# Altium PCB pcb.PcbDoc (part 3 of 3)
Units mm, origin at the board's own origin, x right, y up, seen from the top; angles counter-clockwise.
Board outline 141.5 x 36 mm, 4 copper layers (COMPONENT, GND1, GND2, SIGNAL), stack 1.62 mm thick; 144 components, 119 nets, 555 pads, 641 vias.
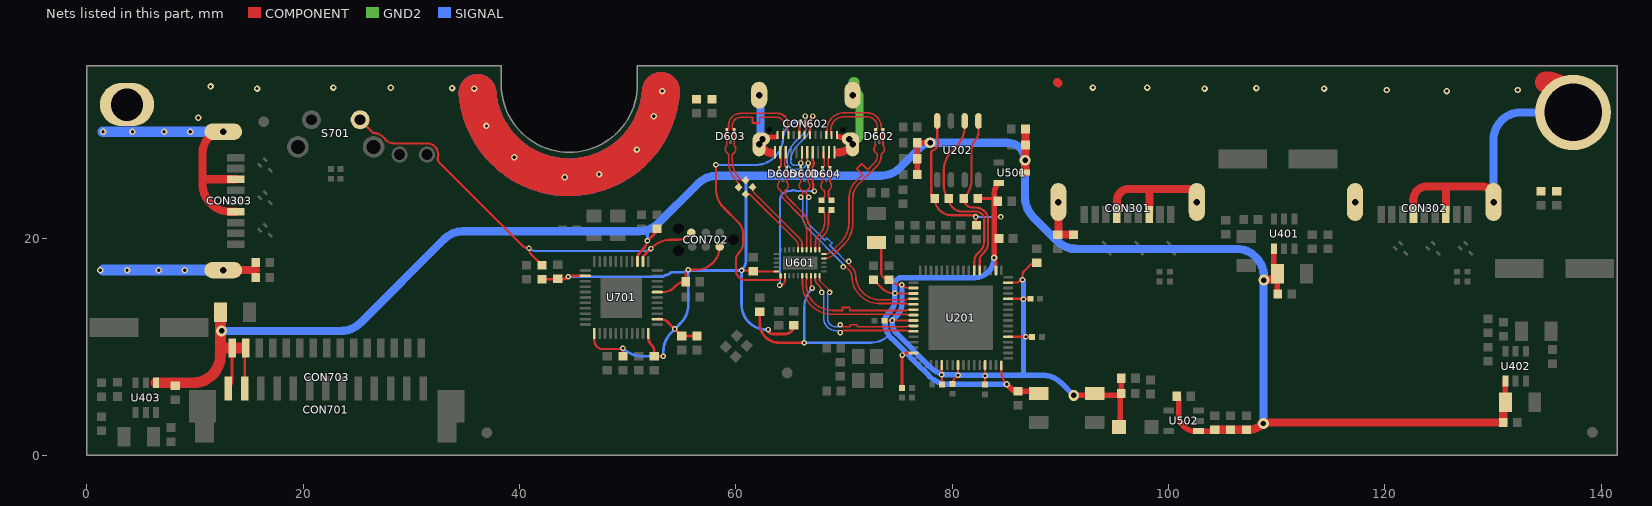
[diagram p5: the nets of this part, all layers, seen from the top]

## Via types
v1: diameter 0.508, hole 0.254, COMPONENT to SIGNAL, tented both sides, 518 vias
v2: diameter 0.6, hole 0.3, COMPONENT to SIGNAL, tented both sides, 78 vias
v3: diameter 0.508, hole 0.3, COMPONENT to SIGNAL, 37 vias
v4: diameter 1, hole 0.5, COMPONENT to SIGNAL, tented both sides, 8 vias

## Nets (pads, with @x,y where several pads share a name; then routed paths per layer and width w, separated by ;. In a path a pad name is that pad's centre, name@x,y a point inside that pad or via, vN(x,y) a via of type N, cw(c..) or ccw(c..) an arc to the next point about the centre after c; other vN are vias at no path point) (continued)
RST: CON702.5 R705.1 S701.1 U701.13 | length 40
  COMPONENT w0.203: S701.1@25.25,31 26.398,29.852 ccw(c26.578,30.031) 26.565,29.778 cw(c26.5,28.5) 27.584,29.18 ccw(c28.466,30.063) 27.689,29.086 ccw(c28.466,30.063) 28.466,28.815 28.827,28.815 ccw(c28.827,29.069) 28.842,28.815 cw(c28.905,27.788) 28.968,28.815 ccw(c28.983,29.069) 28.983,28.815 31.367,28.815 ccw(c31.367,29.069) 31.381,28.815 ; 31.382,28.815 cw(c31.445,27.788) 32.428,27.48 ccw(c33.102,27.48) 32.468,27.251 ccw(c33.102,27.48) 32.625,27.004 40.244,19.385 ccw(c40.869,20.01) 40.869,19.126 ccw(c41.752,19.126) 41.127,18.501 R705.1@42.062,17.566 ; U701.13@51.403,17.897 51.403,18.358 v1(52.146,19.101) 52.215,19.17 cw(c54.011,17.374) 52.703,19.551 cw(c54.011,17.374) 53.392,19.837 cw(c54.011,17.374) 54.011,19.914 54.661,19.914 ccw(c54.661,21.315) 55.652,20.324 CON702.5@55.876,20.549
  SIGNAL w0.203: v1@40.869,19.126 ccw(c41.473,19.731) 41.473,18.876 51.603,18.876 ccw(c51.603,19.644) v1(52.146,19.101)
  other v1: 40.869,19.126
SCL: R203.1 U201.38 U202.6 | length 17.2
  COMPONENT w0.203: U202.6@81.153,30.894 81.153,30.364 cw(c78.613,30.364) 80.409,28.568 79.967,28.125 ccw(c81.763,26.329) 79.223,26.329 79.223,24.864 ccw(c80.835,24.864) 79.695,23.724 ccw(c80.889,23.724) 80.889,22.53 82.195,22.53 cw(c82.195,21.768) 82.448,22.486 cw(c82.195,21.768) 82.913,22.021 cw(c82.195,21.768) 82.957,21.768 82.957,19.736 cw(c81.743,19.736) 82.601,18.878 82.32,18.597 ccw(c82.998,17.919) 82.04,17.919 U201.38@82.04,17.069
SDA: R202.1 U201.37 U202.5 | length 15.8
  COMPONENT w0.203: U202.5@82.423,30.894 82.423,29.726 cw(c81.729,29.726) 82.22,29.235 ccw(c83.262,28.193) 81.788,28.193 81.788,25.512 cw(c79.273,25.512) R202.1@81.051,23.734 ccw(c81.9,23.734) 81.9,22.885 82.107,22.885 82.195,22.885 cw(c82.195,21.768) 83.312,21.77 cw(c82.195,21.768) 83.312,21.768 83.312,21.26 83.312,20.752 83.312,19.632 cw(c81.994,19.632) 82.926,18.7 82.773,18.547 ; U201.37@82.54,17.069 82.54,17.983 cw(c83.338,17.983) 82.773,18.547
SHELD1: C313.2 C314.2 C315.2 C602.2 CON301.4 CON301.7 CON301.G CON302.4 CON302.7 CON302.G CON303.4 CON303.7 CON303.G CON602.2 CON602.A1 CON602.A12 CON602.B1 CON602.B12 CON602.G L304.2 L305.2 L306.2 L602.2 pad. | length 153.1
  COMPONENT w0.5: CON602.G@62.459,29.222 cw(c62.92,28.76) 62.92,29.413 63.703,29.413
  COMPONENT w0.508: 69.52,29.413 cw(c69.52,28.003) 70.517,29 CON602.G@70.792,28.725
  COMPONENT w0.75: CON303.G@12.6,17.1 15.565,17.1 ccw(c15.565,17.149) 15.6,17.114 ; CON303.G@12.6,29.9 ccw(c12.6,27.993) 10.693,27.993 10.693,25.603 ; CON303.4@13.75,22.5 13.233,22.5 cw(c13.233,25.04) 10.693,25.04 10.693,25.603 ; CON303.7@13.75,25.5 10.797,25.5 cw(c10.797,25.603) 10.693,25.603 ; CON602.2@62.152,28.725 62.665,28.212 ccw(c63.322,28.87) 63.322,27.94 ; 89.687,34.475 cw(c89.687,34.347) 89.815,34.347 ; L304.2@89.764,20.386 L304.2@89.789,20.386 ; CON301.G@89.815,23.75 89.815,20.412 L304.2@89.789,20.386 ; C314.2@91.211,20.386 L304.2@89.789,20.386 ; CON301.4@95.215,22.6 95.225,22.6 95.225,23.495 cw(c96.342,23.495) 96.342,24.613 98.247,24.613 ; CON301.7@98.215,22.6 ccw(c98.215,22.632) 98.247,22.632 98.247,24.613 ; CON301.G@102.615,23.75 ccw(c101.752,23.75) 101.752,24.613 98.247,24.613 ; CON302.4@122.65,22.6 122.65,23.552 ccw(c122.631,23.552) 122.631,23.571 cw(c123.901,23.571) 123.901,24.841 125.527,24.841 ; CON302.7@125.65,22.6 125.65,24.718 ccw(c125.527,24.718) 125.527,24.841 ; CON302.G@130.05,23.75 ccw(c128.959,23.75) 128.959,24.841 125.527,24.841
  COMPONENT w0.754: 69.444,27.991 ccw(c69.444,29.474) 70.492,28.425 CON602.G@70.792,28.725
  COMPONENT w2: 134.868,34.475 cw(c134.868,31.935) 137.408,31.935 pad.@137.408,31.686
  COMPONENT w3.5: 36.107,33.474 ccw(c44.577,34.188) v2@53.061,33.663
  GND2 w0.75: CON602.G@70.92,29.075 ccw(c70.92,29.58) 71.425,29.58 71.425,33.12 ccw(c70.92,33.12) CON602.G@70.92,33.625
  GND2 w1: CON602.G@70.92,33.625 CON602.G@70.92,34.475
  SIGNAL w0.75: CON602.G@62.28,29.075 CON602.G@62.28,33.625 ; CON302.G@130.05,23.75 130.05,29.146 cw(c132.59,29.146) 132.59,31.686 pad.@137.408,31.686
  SIGNAL w1: v2(1.486,29.9) v2(4.204,29.9) v2(7.125,29.9) v2(9.538,29.9) CON303.G@12.6,29.9 ; v2@1.5,17.12 3.977,17.12 6.898,17.12 9.311,17.12 CON303.G@12.614,17.12
  SIGNAL w3.5: 36.107,33.474 ccw(c44.577,34.188) v2@53.061,33.663
  other v2: 1.232,17.094 3.708,17.094 6.629,17.094 9.042,17.094 44.171,25.679 47.346,25.959 39.497,27.534 50.851,28.245 36.932,30.429 10.287,31.191 52.4,31.318 53.188,33.655 125.73,33.655 120.167,33.757 132.283,33.757 15.723,33.884 35.814,33.884 103.327,33.884 114.376,33.884 33.757,33.934 108.128,33.934 28.092,33.96 22.784,33.985 93.015,33.985 98.044,33.985 11.43,34.087
UP_CC1: CON602.A5 U601.2 | length 16.5
  COMPONENT w0.203: v1(64.033,15.697) ccw(c64.033,16.202) 64.538,16.202 U601.2@64.538,16.58 ; CON602.A5@67.102,28 67.102,27.366 ccw(c67.305,27.366) 67.131,27.261 cw(c66.695,27) 67.111,26.708 ccw(c67.277,26.591) 67.074,26.591 67.074,26.467 67.074,25.259 ccw(c67.26,25.341) 67.077,25.253 cw(c66.344,24.9) 67.113,25.165 cw(c66.344,24.9) 67.113,25.164 cw(c66.344,24.9) 67.134,24.707 ccw(c67.331,24.659) 67.144,24.582 ccw(c67.639,24.789) v1@67.259,24.409
  SIGNAL w0.203: v1(64.033,15.697) ccw(c64.033,15.748) 64.084,15.748 64.084,23.597 cw(c64.897,23.597) 64.897,24.409 64.983,24.409 ccw(c64.983,24.613) 65.075,24.431 cw(c65.303,23.978) 65.439,24.467 cw(c65.303,23.978) 65.532,24.431 ccw(c65.624,24.613) 65.624,24.409 66.187,24.409 cw(c66.188,24.206) 66.232,24.405 ; 66.233,24.404 ccw(c66.344,24.9) 66.433,24.4 ; 66.433,24.4 ccw(c66.344,24.9) 66.456,24.404 cw(c66.501,24.206) 66.502,24.409 v1(67.259,24.409)
UP_CC2: CON602.B5 U601.1 | length 27.1
  COMPONENT w0.203: v1(58.153,26.835) 58.153,24.636 ccw(c60.693,24.636) 58.897,22.84 60.214,21.524 cw(c59.086,20.396) 60.554,21.02 cw(c59.086,20.396) 60.681,20.396 60.681,19.722 cw(c59.12,19.722) 60.579,19.168 cw(c59.12,19.722) 60.223,18.618 ccw(c60.713,18.129) 60.021,18.129 ; 60.021,18.128 60.02,17.069 ccw(c60.528,17.069) 60.021,17.045 ccw(c60.886,17.045) 60.886,16.18 62.027,16.18 63.845,16.18 ccw(c63.845,16.383) 63.898,16.187 ; 63.899,16.187 cw(c64.033,15.697) 63.964,16.2 ccw(c63.936,16.402) 64.138,16.386 U601.1@64.138,16.58 ; CON602.B5@65.852,29.6 65.852,30.504 cw(c66.32,30.504) v1@65.989,30.836
  SIGNAL w0.203: v1(58.153,26.835) 61.824,26.835 ccw(c61.824,29.375) 64.36,29.231 cw(c65.964,29.231) 64.363,29.343 cw(c65.964,29.231) 65.964,30.836 v1(65.989,30.836)
UP_D_N: CON602.A7 CON602.B7 D601.2 U201.54 | length 28.3
  COMPONENT w0.152: 65.993,25.782 ccw(c65.842,25.802) 65.995,25.803 D601.2@65.995,26.41 ; D601.2@65.995,26.5 D601.2@65.995,26.41 ; v1(65.995,27) ccw(c65.737,27.258) 66.102,27.258 CON602.A7@66.102,28 ; D601.2@66.032,26.338 66.019,26.351 cw(c66.078,26.41) D601.2@65.995,26.41 ; 66.171,24.028 66.171,24.415 ccw(c66.113,24.415) 66.154,24.456 cw(c66.344,24.9) 65.986,24.576 cw(c66.344,24.9) 65.96,25.192 ccw(c65.839,25.284) 65.991,25.285 65.991,25.5 65.991,25.75 ; CON602.B7@66.852,29.6 cw(c66.852,29.672) 66.78,29.672 66.78,29.947 ccw(c66.389,30.337) 66.942,30.337 66.942,31.179 cw(c67.107,31.179) v1(67.107,31.344) ; v1(69.926,17.399) 70.183,17.399 70.435,17.146 cw(c69.703,16.414) 70.739,16.414 ccw(c72.877,16.414) 71.365,14.902 ; 71.365,14.902 71.599,14.668 ccw(c73.173,16.241) 71.602,14.665 ccw(c73.173,16.241) 73.169,14.016 ccw(c73.173,16.241) 73.173,14.016 75.791,14.016 75.863,13.944 U201.54@76.415,13.944 ; 65.991,25.75 cw(c66.22,25.75) 65.993,25.781 ccw(c66.22,25.75) 65.991,25.75
  SIGNAL w0.152: v1(65.989,23.851) cw(c65.989,23.66) 66.18,23.66 66.18,22.085 ccw(c67.828,22.085) 66.662,20.92 69.926,17.656 v1(69.926,17.399) ; v1(65.995,27) cw(c65.763,27) 65.927,26.836 cw(c65.819,26.943) 65.819,26.791 65.583,26.791 65.436,26.791 cw(c65.436,27.153) 65.075,27.153 cw(c67.221,27.153) 65.703,28.67 66.415,29.382 ccw(c65.145,30.653) 66.942,30.653 66.942,30.945 cw(c67.505,30.945) v1@67.107,31.344
UP_D_P: CON602.A6 CON602.B6 D601.1 U201.53 | length 29.7
  COMPONENT w0.152: CON602.B6@66.352,29.6 ccw(c66.352,29.672) 66.424,29.672 66.424,30.026 cw(c66.701,30.026) 66.505,30.221 ccw(c66.31,30.417) 66.586,30.417 66.586,31.178 ccw(c66.421,31.178) v1(66.421,31.344) ; 66.527,24.028 66.527,24.42 cw(c66.585,24.42) 66.544,24.461 ccw(c66.344,24.9) 66.703,24.577 ccw(c66.344,24.9) 66.729,25.191 cw(c66.851,25.283) 66.698,25.283 66.698,25.5 66.698,25.75 ccw(c66.47,25.75) 66.696,25.781 ; CON602.A6@66.602,28 66.602,27.225 ccw(c66.92,27.225) v1(66.695,27) ; D601.1@66.658,26.338 66.67,26.351 ccw(c66.611,26.41) 66.695,26.41 D601.1@66.695,26.5 66.695,25.802 ccw(c66.847,25.802) 66.696,25.782 ; v1(70.434,17.907) 70.434,17.65 70.791,17.294 cw(c70.058,16.561) 71.095,16.561 ccw(c73.233,16.561) 71.721,15.049 71.792,14.977 ccw(c73.255,16.44) 71.795,14.975 ccw(c73.255,16.44) 73.252,14.371 ccw(c73.255,16.44) 73.255,14.371 75.791,14.371 75.863,14.444 U201.53@76.415,14.444
  SIGNAL w0.152: v1@66.421,31.344 cw(c66.022,30.945) 66.586,30.945 66.586,30.655 cw(c65.139,30.655) 66.162,29.632 65.449,28.919 ccw(c67.211,27.157) 64.719,27.157 64.719,27.151 ccw(c65.434,27.151) 65.434,26.435 65.583,26.435 66.046,26.435 ccw(c66.046,26.588) 66.129,26.46 ccw(c65.642,27.2) 66.268,26.574 v1(66.695,27) ; v1(66.726,23.851) ccw(c66.726,23.66) 66.535,23.66 66.535,22.089 ccw(c67.837,22.089) 66.916,21.169 ; v1(70.434,17.907) 70.178,17.907 69.201,18.884 69.147,18.938 68.68,19.404 68.88,19.604 68.413,20.071 68.213,19.871 67.741,20.344 67.168,20.917 67.042,21.042 66.917,21.168 ; 66.916,21.169 ccw(c67.837,22.089) 66.917,21.168
UP_SSRX1_N: CON602.B10 D602.1 U601.14 | length 22
  COMPONENT w0.152: U601.14@68.138,18.18 ccw(c68.138,19.548) 69.106,18.58 69.969,19.444 ccw(c67.925,21.487) 70.815,21.487 70.815,23.804 cw(c72.533,23.804) 71.318,25.019 73.019,26.72 ccw(c72.031,27.707) 73.428,27.707 73.428,27.711 cw(c73.655,27.711) 73.494,27.872 73.51,27.888 ccw(c73.25,28.294) 73.63,28.591 cw(c73.75,28.685) 73.6,28.711 ccw(c73.375,28.75) 73.604,28.75 73.604,29.996 D602.1@73.6,30 ; CON602.B10@68.352,29.6 ccw(c68.352,29.672) 68.424,29.672 68.424,30.074 cw(c69.999,30.074) 68.786,31.078 cw(c69.999,30.074) 69.999,31.648 72.132,31.648 cw(c72.132,30.353) 73.428,30.353 73.428,30.172 ccw(c73.6,30.172) D602.1@73.6,30 ; D602.1@73.505,30.186 ccw(c73.534,30.215) 73.534,30.174 cw(c73.534,30.133) 73.563,30.162 73.576,30.149 cw(c73.517,30.09) 73.6,30.09 D602.1@73.6,30
UP_SSRX1_P: CON602.B11 D602.2 U601.15 | length 21.6
  COMPONENT w0.152: U601.15@68.138,18.58 ccw(c68.138,19.7) 68.93,18.908 69.716,19.693 ccw(c67.92,21.49) 70.46,21.49 70.46,23.809 cw(c72.523,23.809) 71.064,25.268 71.72,25.923 71.163,26.48 71.63,26.947 72.187,26.39 72.708,26.911 72.764,26.968 ccw(c72.021,27.711) 73.072,27.711 ccw(c72.845,27.711) 73.006,27.872 72.99,27.888 cw(c73.25,28.294) 72.869,28.59 ccw(c72.75,28.685) 72.9,28.71 cw(c73.125,28.75) 72.896,28.75 72.896,29.996 D602.2@72.9,30 ccw(c72.9,30.172) 73.072,30.172 73.072,30.353 ccw(c72.132,30.353) 72.132,31.293 69.999,31.293 ccw(c69.999,30.074) 69.07,30.863 ccw(c69.999,30.074) 68.78,30.074 68.78,29.672 ccw(c68.852,29.672) CON602.B11@68.852,29.6
UP_SSRX2_N: CON602.A10 D605.1 U601.18 | length 10.1
  COMPONENT w0.152: CON602.A10@64.602,28 64.602,27.551 cw(c64.479,27.551) 64.566,27.464 ccw(c64.653,27.377) 64.53,27.377 64.53,27.28 64.531,27.279 64.531,26.826 ccw(c64.683,26.826) 64.575,26.719 64.608,26.686 ccw(c64.637,26.715) 64.637,26.674 cw(c64.637,26.633) 64.666,26.662 cw(c64.578,26.573) 64.703,26.573 D605.1@64.703,26.5 64.703,25.802 ccw(c64.855,25.802) 64.704,25.782 ; 64.704,25.781 cw(c64.478,25.75) 64.707,25.75 64.707,25.5 64.707,25.283 ccw(c64.859,25.283) 64.737,25.191 cw(c64.353,24.9) 64.835,24.9 cw(c64.353,24.9) 64.565,24.466 ccw(c64.647,24.384) 64.53,24.384 ccw(c65.301,24.384) 64.756,23.839 64.977,23.618 ; 64.978,23.618 66.071,22.524 cw(c64.03,20.483) 66.916,20.483 66.916,19.034 ccw(c66.992,19.034) U601.18@66.938,18.98
UP_SSRX2_P: CON602.A11 D605.2 U601.19 | length 10.1
  COMPONENT w0.152: 64.002,25.781 ccw(c64.228,25.75) 63.999,25.75 63.999,25.5 63.999,25.285 cw(c63.847,25.284) 63.968,25.192 ccw(c64.353,24.9) 63.87,24.9 63.87,24.847 ccw(c63.884,24.847) 63.874,24.837 ccw(c64.353,24.9) 64.141,24.466 cw(c64.058,24.384) 64.175,24.384 64.175,24.382 ccw(c65.296,24.382) 64.503,23.589 65.817,22.276 cw(c64.021,20.48) 66.561,20.48 66.561,19.034 cw(c66.485,19.034) U601.19@66.538,18.98 ; 64.002,25.782 ccw(c63.851,25.802) 64.003,25.803 D605.2@64.003,26.5 64.003,26.573 cw(c64.128,26.573) 64.04,26.662 cw(c64.069,26.633) 64.069,26.674 ccw(c64.069,26.715) 64.098,26.686 64.131,26.718 ccw(c64.023,26.826) 64.175,26.826 64.175,26.924 64.174,26.925 64.174,27.377 ccw(c64.051,27.377) 64.138,27.464 cw(c64.225,27.551) 64.102,27.551 CON602.A11@64.102,28
UP_SSRX_N: U201.58 U601.10 | length 13.3
  COMPONENT w0.152: U601.10@67.738,16.58 67.738,16.254 67.716,16.232 ccw(c67.903,16.232) 67.771,16.1 68.656,15.214 v1(68.656,15.037) ; v1(69.647,12.04) 69.815,11.871 69.825,11.871 70.485,11.871 70.561,11.871 70.561,12.053 71.222,12.053 71.222,11.871 72.568,11.871 75.791,11.871 75.863,11.944 U201.58@76.415,11.944
  SIGNAL w0.152: v1(68.656,15.037) 68.478,14.859 68.478,12.639 ccw(c69.256,12.639) 68.595,12.229 ccw(c69.256,12.639) 69.256,11.862 69.469,11.862 v1(69.647,12.04)
UP_SSRX_P: U201.59 U601.9 | length 13.3
  COMPONENT w0.152: U601.9@67.338,16.58 67.338,16.254 67.361,16.232 67.361,16.119 ccw(c67.632,16.119) 67.44,15.928 67.672,15.696 cw(c67.013,15.037) v1(67.945,15.037) ; v1(69.647,11.328) 69.825,11.506 69.868,11.506 69.877,11.516 75.791,11.516 75.863,11.444 U201.59@76.415,11.444
  SIGNAL w0.152: v1(67.945,15.037) 68.123,14.859 68.123,12.639 ccw(c69.256,12.639) 68.148,12.4 ccw(c69.256,12.639) 69.017,11.532 ccw(c69.256,12.639) 69.256,11.506 69.469,11.506 v1(69.647,11.328)
UP_SSTX1_N: C604.2 U601.17 | length 4.1
  COMPONENT w0.152: U601.17@67.338,18.98 ccw(c67.285,19.034) 67.361,19.034 67.361,19.727 cw(c68.179,19.727) 67.6,20.306 67.773,20.478 ccw(c66.742,21.509) 67.775,20.48 ccw(c66.742,21.509) 68.2,21.509 68.2,22.25 ccw(c67.895,22.25) 68.111,22.465 68.102,22.465 C604.2@67.904,22.664
UP_SSTX1_P: C603.2 U601.16 | length 4.1
  COMPONENT w0.152: U601.16@67.738,18.98 67.729,18.989 67.729,19.173 67.716,19.186 67.716,19.724 cw(c68.185,19.724) 67.853,20.056 68.128,20.331 ccw(c67.097,21.362) 68.13,20.333 ccw(c67.097,21.362) 68.555,21.362 68.555,22.25 cw(c68.86,22.25) 68.645,22.465 68.653,22.465 C603.2@68.852,22.664
UP_SSTX1_PRE_N: C604.1 CON602.A3 D604.2 | length 4.8
  COMPONENT w0.152: C604.1@67.904,23.564 68.102,23.763 68.111,23.763 ccw(c67.895,23.978) 68.2,23.978 68.2,24.342 ccw(c68.047,24.342) 68.121,24.476 cw(c68.351,24.9) 67.887,25.031 cw(c68.351,24.9) 67.967,25.193 ccw(c67.845,25.284) 67.998,25.285 67.998,25.75 67.998,26.423 68.001,26.427 D604.2@68.001,26.5 68.001,26.573 cw(c68.127,26.573) 68.038,26.662 cw(c68.067,26.633) 68.067,26.674 ccw(c68.067,26.715) 68.096,26.686 68.129,26.718 ccw(c68.021,26.826) 68.174,26.826 68.174,27.254 68.174,27.377 ccw(c68.051,27.377) 68.138,27.464 cw(c68.225,27.551) 68.102,27.551 CON602.A3@68.102,28
UP_SSTX1_PRE_P: C603.1 CON602.A2 D604.1 | length 4.8
  COMPONENT w0.152: CON602.A2@68.602,28 68.602,27.551 cw(c68.479,27.551) 68.566,27.464 ccw(c68.653,27.377) 68.53,27.377 68.53,26.899 68.529,26.826 ccw(c68.682,26.826) 68.574,26.719 68.606,26.686 ccw(c68.636,26.715) 68.636,26.674 cw(c68.636,26.633) 68.665,26.662 cw(c68.576,26.573) 68.701,26.573 D604.1@68.701,26.5 68.701,26.427 68.705,26.423 68.705,25.75 68.705,25.283 ccw(c68.857,25.283) 68.736,25.191 cw(c68.351,24.9) 68.823,24.999 cw(c68.351,24.9) 68.622,24.501 ccw(c68.708,24.375) 68.555,24.375 68.555,23.978 ccw(c68.86,23.978) 68.645,23.763 68.653,23.763 C603.1@68.852,23.564
UP_SSTX2_N: C605.2 U601.21 | length 7.4
  COMPONENT w0.152: C605.2@60.888,24.134 61.149,24.134 cw(c61.149,23.808) 61.379,24.038 65.529,19.888 cw(c64.969,19.328) 65.761,19.328 65.761,19.034 cw(c65.685,19.034) U601.21@65.738,18.98
UP_SSTX2_P: C606.2 U601.20 | length 7.6
  COMPONENT w0.152: C606.2@61.534,24.781 61.534,24.669 ccw(c62.218,24.669) 61.734,24.186 61.737,24.183 61.807,24.113 65.884,20.036 cw(c65.324,19.476) 66.116,19.476 66.116,19.034 ccw(c66.192,19.034) U601.20@66.138,18.98
UP_SSTX2_PRE_N: C606.1 CON602.B2 D603.1 | length 13.8
  COMPONENT w0.152: D603.1@59.755,30.186 ccw(c59.784,30.215) 59.784,30.174 cw(c59.784,30.133) 59.813,30.162 59.826,30.149 cw(c59.767,30.09) 59.85,30.09 D603.1@59.85,30 ; C606.1@60.898,25.417 60.57,25.417 cw(c60.57,25.58) 60.455,25.465 60.407,25.513 60.332,25.588 cw(c61.912,27.167) 60.319,25.601 cw(c61.912,27.167) 59.678,27.167 59.678,27.752 cw(c59.83,27.752) 59.751,27.882 ccw(c59.5,28.294) 59.88,28.591 cw(c60,28.685) 59.85,28.711 ccw(c59.625,28.75) 59.854,28.75 59.854,29.996 D603.1@59.85,30 ; CON602.B2@64.352,29.6 64.352,29.875 64.424,29.947 64.424,30.583 ccw(c63.765,30.583) 63.765,31.242 62.306,31.242 62.192,31.242 62.192,30.701 61.532,30.701 61.532,31.242 60.795,31.242 60.452,31.242 ccw(c60.452,30.455) 59.665,30.455 59.665,30.185 ccw(c59.85,30.185) D603.1@59.85,30
UP_SSTX2_PRE_P: C605.1 CON602.B3 D603.2 | length 14.9
  COMPONENT w0.152: C605.1@60.252,24.77 60.252,25.023 ccw(c59.91,25.023) 60.152,25.265 60.052,25.365 cw(c61.912,27.167) 59.403,26.527 cw(c61.912,27.167) 59.322,27.167 59.322,27.751 ccw(c59.17,27.752) 59.249,27.882 cw(c59.5,28.294) 59.12,28.591 ccw(c59,28.685) 59.15,28.711 cw(c59.375,28.75) 59.146,28.75 59.146,30 D603.2@59.15,30 ccw(c59.15,30.159) 59.309,30.159 59.309,30.455 cw(c60.452,30.455) 60.452,31.598 63.765,31.598 cw(c63.765,30.455) 64.67,31.153 ; 63.912,31.598 cw(c63.912,30.73) 64.67,31.153 ; CON602.B3@64.852,29.6 64.852,29.875 64.78,29.947 64.78,30.73 ccw(c63.912,30.73) 64.67,31.153
UP_SSTX_N: U201.55 U601.7 | length 12.7
  COMPONENT w0.152: U601.7@66.538,16.58 66.538,16.254 66.516,16.232 66.516,15.774 ccw(c68.918,15.774) 68.918,13.371 69.028,13.371 69.85,13.371 69.85,13.651 70.51,13.651 70.51,13.371 71.247,13.371 75.791,13.371 75.863,13.444 U201.55@76.415,13.444
UP_SSTX_P: U201.56 U601.6 | length 12.7
  COMPONENT w0.152: U601.6@66.138,16.58 66.138,16.254 66.161,16.232 66.161,15.774 ccw(c68.918,15.774) 68.918,13.016 75.791,13.016 75.863,12.944 U201.56@76.415,12.944
VCC1V1: C205.2 C206.2 C207.2 C208.2 C209.2 C210.2 C211.2 C212.2 C217.2 C506.2 C507.2 L501.2 R502.1 U201.5 U201.8 U201.13 U201.21 U201.28 U201.31 U201.51 U201.57 | length 67
  COMPONENT w0.203: C212.2@73.382,19.656 C212.2@73,19.656 cw(c73,19.225) 73.431,19.225 73.431,16.913 ccw(c74.143,16.913) C210.2@74.143,16.201 ccw(c75.237,17.295) 75.237,15.748 v1(75.335,15.748) ccw(c76.07,16.483) 76.07,15.444 U201.51@76.415,15.444 ; C207.2@73.711,12.446 v1(74.447,12.446) 76.412,12.446 U201.57@76.415,12.444 ; U201.5@79.04,8.319 79.04,7.437 v1(79.019,7.417) 79.056,7.38 C209.2@79.056,6.528 ; C208.2@80.01,6.571 cw(c80.711,6.571) 80.215,7.067 ; 80.215,7.067 v1(80.54,7.391) U201.8@80.54,8.319 ; C217.2@83.033,6.521 v1(83.033,7.334) 83.033,8.312 U201.13@83.04,8.319 ; U201.21@85.165,10.944 85.168,10.947 v1(86.817,10.947) ; U201.31@85.165,15.944 85.805,15.944 ccw(c85.805,16.837) 86.436,16.205 v1@86.487,16.256 ; 86.384,10.922 C205.2@87.383,10.922 ; v1(86.487,16.205) v1@86.487,16.256 ; v1(86.589,14.402) 86.547,14.444 U201.28@85.165,14.444 85.174,14.453 C206.2@87.231,14.453 ; C211.2@87.808,17.577 C211.2@87.808,17.79 ccw(c87.808,16.893) 87.173,17.528 86.742,17.096 cw(c85.363,18.345) 86.679,17.03 86.597,16.949 ccw(c86.741,16.805) 86.556,16.89 ccw(c87.267,16.568) 86.487,16.568 v1@86.487,16.256
  COMPONENT w0.5: v4(91.237,5.516) 95.442,5.516 C506.2@95.521,5.595 ; L501.2@95.426,2.616 95.521,2.711 C506.2@95.521,5.595 ; R502.1@95.641,7.112 95.641,5.715 C506.2@95.616,5.69 C506.2@95.521,5.595
  SIGNAL w0.5: 74.826,11.277 cw(c75.743,12.192) 74.456,12.047 cw(c75.743,12.192) 74.447,12.192 v1(74.447,12.446) 74.447,12.452 74.903,12.907 ; 74.827,11.276 77.942,8.161 ccw(c79.738,9.957) 79.738,7.417 ; 74.903,12.907 ccw(c73.804,14.006) 75.358,14.006 v1@75.358,15.666 ; v1(79.019,7.417) 79.738,7.417 ; v1(80.54,7.391) 86.589,7.391 ; v1@80.54,7.417 79.738,7.417 ; v1@86.589,16.148 v1(86.589,14.402) 86.589,7.391 ; v4(91.237,5.516) 90.105,6.647 ccw(c88.309,4.851) 88.309,7.391 86.589,7.391
VCC3V3: C204.2 C213.2 C214.2 C215.2 C216.2 C503.2 R201.1 R202.2 R203.2 R602.2 U201.16 U201.34 U201.52 U201.63 U202.8 U501.2 U601.8 | length 88.7
  COMPONENT w0.203: U601.8@66.938,16.58 66.938,15.561 v1(67.056,15.443) ; C215.2@72.718,16.201 73.476,15.443 ccw(c74.701,16.668) 74.701,14.935 76.406,14.935 U201.52@76.415,14.944 ; U201.63@75.961,9.444 U201.63@76.415,9.444 ; U202.8@78.613,30.894 78.613,29.293 ccw(c78.816,29.293) 78.632,29.206 cw(c77.953,28.88) 78.193,28.165 ccw(c78.257,27.972) 78.054,27.972 78.054,25.781 78.054,24.064 ccw(c78.395,24.064) 78.395,23.724 ccw(c79.944,23.724) 79.944,22.174 82.017,22.174 v1(82.169,22.022) 82.169,21.326 R201.1@82.245,21.25 ; 83.871,22.073 ccw(c83.993,22.195) 83.993,22.022 v1(84.48,22.022) ; U201.16@84.54,8.294 84.54,7.759 ccw(c86.245,7.759) 84.627,7.219 ccw(c86.245,7.759) v2@85.039,6.553
  COMPONENT w0.254: R602.2@62.205,13.259 62.205,12.395 ccw(c64.745,12.395) 62.214,12.172 ccw(c63.998,12.172) 62.507,11.193 ccw(c63.998,12.172) 63.998,10.389 v1(66.319,10.389) ; C213.2@75.362,6.216 75.362,9.22 v1(75.387,9.246) cw(c75.865,8.767) 75.865,9.444 U201.63@75.961,9.444 ; R202.2@82.351,23.734 83.573,23.734 cw(c83.573,22.831) 83.871,23.683 cw(c83.573,22.831) C503.2@84.211,23.47 ; v2(83.871,18.237) cw(c83.463,17.83) 84.04,17.83 U201.34@84.04,17.069
  COMPONENT w0.5: v2(83.871,18.237) 83.871,20.015 83.871,22.073 83.871,23.683 83.871,24.134 cw(c85.324,24.134) U501.2@84.296,25.161 ; v2(85.039,6.553) 85.405,6.188 ccw(c86.081,6.864) C214.2@86.081,5.908 87.771,5.908 C204.2@87.986,5.693
  SIGNAL w0.203: v1(67.056,15.443) ccw(c68.834,13.665) 66.319,13.665 v1(66.319,10.389) 72.464,10.389 ccw(c72.464,12.76) 74.141,11.083 ; v1(82.169,22.022) v1(84.48,22.022)
  SIGNAL w0.5: 73.791,12.268 cw(c75.088,12.268) 73.793,12.339 ccw(c73.294,12.367) 73.793,12.401 cw(c74.447,12.446) 73.791,12.446 cw(c74.447,12.446) 73.909,12.822 ccw(c73.499,13.108) 73.941,12.874 cw(c75.088,12.268) 74.171,13.186 74.246,13.261 ccw(c73.147,14.36) 74.701,14.36 v1(74.701,14.961) 74.679,14.983 74.679,15.502 cw(c75.177,15.466) 74.679,15.511 74.685,15.569 ccw(c74.186,15.613) 74.683,15.672 cw(c75.335,15.748) 74.679,15.748 cw(c75.335,15.748) 74.87,16.212 ; 73.792,12.267 ccw(c75.914,12.267) 73.795,12.151 ccw(c75.914,12.267) 73.795,12.145 cw(c73.296,12.117) 73.796,12.132 ccw(c75.743,12.192) 74.141,11.083 ccw(c75.743,12.192) 74.365,10.815 75.661,9.519 76.624,8.556 77.883,7.297 ccw(c79.679,9.093) 77.885,7.296 ccw(c79.679,9.093) 79.679,6.553 v2(85.039,6.553) ; 74.871,16.213 cw(c75.335,15.748) 75.367,16.404 ccw(c75.391,16.903) 75.442,16.406 75.463,16.408 82.042,16.408 ccw(c82.042,18.237) v2(83.871,18.237)
VCC5V: C401.2 C402.2 C404.2 C405.2 C407.2 C408.2 C501.2 C502.2 C504.2 C505.2 C508.2 C607.2 C705.2 C706.2 C707.2 C708.2 C709.2 C710.2 C721.2 CON701.12 CON701.13 CON702.2 CON703.1 CON703.2 D606.2 L601.2 R204.2 R501.1 R603.2 R705.2 U401.1 U402.1 U403.1 U501.3 U502.1 U601.30 U701.2 U701.7 U701.14 U701.24 U701.34 U701.44 | length 288.9
  COMPONENT w0.203: U701.34@46.903,11.247 46.903,10.603 ; 48.874,9.804 47.701,9.804 ; C706.2@49.555,9.15 v1(49.555,9.881) cw(c49.479,9.881) 49.479,9.805 47.68,9.805 ; U701.7@52.728,15.072 53.265,15.072 ccw(c53.265,16.483) 54.078,15.329 cw(c54.224,15.121) 54.095,15.34 ccw(c53.823,15.799) 54.199,15.421 ; C708.2@55.35,16.281 55.35,16.54 cw(c56.206,16.54) 55.351,16.572 cw(c56.206,16.54) 55.601,17.145 56.363,17.145 ccw(c56.363,19.279) CON702.2@58.496,19.279 ; C708.2@55.357,16.027 ccw(c55.357,14.696) 54.416,15.637 54.263,15.485 ; v1(60.528,17.069) 61.326,17.069 61.428,17.17 61.453,17.145 cw(c61.453,17.003) C607.2@61.595,17.003 ; C607.2@61.618,16.98 U601.30@63.738,16.98 ; 46.903,10.603 ccw(c47.701,10.603) 46.994,10.232 ccw(c47.701,10.603) 47.33,9.896 ccw(c47.701,10.603) 47.457,9.843 ; 46.903,10.603 ccw(c47.701,10.603) 47.457,9.843 ; 47.457,9.843 ccw(c47.65,10.312) 47.65,9.804 ; 47.65,9.804 ccw(c47.65,10.312) 47.667,9.805 ; 47.65,9.804 ccw(c47.65,10.312) 47.667,9.805 ; 47.65,9.804 47.701,9.804 ; 47.667,9.805 cw(c47.674,9.602) 47.679,9.805 ccw(c47.674,9.602) 47.667,9.805 ; 47.667,9.805 47.68,9.805 ; 47.68,9.805 ccw(c47.701,10.603) 47.701,9.804 ; 47.68,9.805 ccw(c47.701,10.603) 47.701,9.804 ; 54.199,15.421 ccw(c53.823,15.799) 54.201,15.423 ; 54.199,15.421 54.201,15.423 ; 54.201,15.423 ccw(c53.823,15.799) 54.217,15.44 cw(c54.405,15.269) 54.231,15.454 ccw(c53.265,16.483) 54.263,15.485 ; 54.201,15.423 54.263,15.485
  COMPONENT w0.254: CON701.13@13.078,5.21 CON701.13@13.078,6.147 ; CON701.13@13.078,6.807 CON701.13@13.078,6.147 ; CON703.1@13.411,9.9 13.411,6.951 cw(c12.274,6.951) CON701.13@13.078,6.147 ; CON703.2@14.376,9.9 cw(c13.889,9.413) 14.578,9.413 CON701.12@14.578,6.147 ; R705.2@42.062,16.266 43.974,16.266 ccw(c43.974,17.011) 44.501,16.485 cw(c44.711,16.274) 44.711,16.572 U701.24@46.078,16.572 ; U701.14@50.903,17.897 50.903,18.186 cw(c51.765,18.186) 51.156,18.796 51.562,19.202 ; 51.563,19.203 ccw(c51.381,19.381) 51.619,19.292 v1(51.816,19.816) 52.557,20.556 ccw(c52.198,20.915) C710.2@52.705,20.915 ; U701.44@51.903,11.247 51.903,10.895 ccw(c52.907,10.895) 52.197,10.185 cw(c51.584,9.572) 52.451,9.572 C709.2@52.451,9.15 52.457,9.144 v1(53.289,9.144) v1@53.289,9.261 ; C709.2@52.451,9.134 C709.2@52.466,9.119 ; U701.2@52.728,12.572 53.014,12.572 cw(c53.014,11.561) 53.728,12.276 C721.2@54.991,11.013 C707.2@56.413,11.013 ; C607.2@61.595,17.003 ccw(c61.618,17.003) C607.2@61.618,16.98 ; v1(62.992,11.608) ccw(c63.398,11.608) 63.398,11.201 64.556,11.201 ccw(c64.556,11.999) R603.2@65.354,11.999
  COMPONENT w0.5: R204.2@76.774,25.933 76.774,28.88 v4(77.953,28.88) ; R501.1@100.747,5.436 100.947,5.236 100.947,3.734 ccw(c102.474,3.734) 102.474,2.207 U502.1@102.765,2.207 C505.2@103.921,2.207 ; C505.2@104.267,2.35 cw(c103.921,2.696) C505.2@103.921,2.207 ; v4@108.56,2.921 cw(c106.835,4.645) 107.741,2.381 cw(c106.835,4.645) 106.835,2.207 C505.2@103.921,2.207 ; U401.1@109.743,19.072 109.743,17.075 ccw(c110.054,17.075) C402.2@110.054,16.764 110.054,16.464 110.054,14.924 ccw(c110.094,14.924) C401.2@110.094,14.884 ; U402.1@131.151,6.843 131.151,4.928 ccw(c131.188,4.928) C405.2@131.162,4.902
  COMPONENT w0.75: U501.3@86.696,26.111 ccw(c86.516,26.291) 86.771,26.291 C501.2@86.771,30.15 ; C505.2@104.267,2.35 C504.2@105.74,2.35 C508.2@107.213,2.35 107.394,2.35 ccw(c107.394,4.3) 107.741,2.381 ccw(c107.394,4.3) v4(108.772,2.921) ; v4@108.56,2.921 v4(108.772,2.921) ; v4(108.814,16.18) 108.881,16.18 108.94,16.239 109.829,16.239 C402.2@110.054,16.464 ; C405.2@131.162,4.902 ccw(c131.679,4.385) 130.947,4.385 C404.2@130.947,3.023 109.341,3.023 ccw(c109.341,1.382) v4@108.772,2.921
  COMPONENT w1: U403.1@6.386,6.684 9.801,6.684 ccw(c9.801,9.224) 12.341,9.224 12.341,9.9 ; C408.2@12.341,13.208 12.341,9.9 ; CON703.2@14.376,9.9 CON703.1@13.411,9.9 12.341,9.9
  SIGNAL w0.254: v1(44.501,16.485) 52.921,16.485 53.172,16.485 ccw(c53.172,16.739) 53.317,16.53 cw(c53.823,15.799) 53.675,16.675 ccw(c53.633,16.926) 53.812,16.746 cw(c54.188,16.367) 54.205,16.901 55.01,16.901 ccw(c55.01,17.735) v1(55.601,17.145) ; v1@49.555,9.881 ccw(c51.334,11.659) 50.792,9.203 ccw(c51.334,11.659) 51.334,9.144 v1(53.289,9.144) 53.289,9.54 cw(c55.829,9.54) 54.033,11.336 v1(54.356,11.659) 54.857,12.159 ccw(c53.061,13.955) 55.601,13.955 v1(55.601,17.145) ; 51.731,20.796 cw(c51.527,20.592) 51.816,20.592 v1(51.816,19.816) ; 60.528,25.679 cw(c60.681,25.679) 60.681,25.832 cw(c60.558,25.709) 60.731,25.709 ; 60.935,25.756 60.935,18.05 cw(c59.547,18.05) v1@60.528,17.069 ; v1(62.992,11.608) 62.812,11.608 cw(c62.812,13.892) 60.528,13.892 v1(60.528,17.069) ; v1(55.601,17.145) 55.677,17.069 v1(60.528,17.069)
  SIGNAL w0.75: v4(12.446,11.481) 23.383,11.481 23.484,11.481 ccw(c23.484,14.021) 25.28,12.225 ; 25.255,12.199 25.28,12.225 ; 26.695,13.64 25.28,12.225 ; 88.252,21.247 87.485,22.014 ; v4(108.772,2.921) 108.772,16.012 108.89,16.129 v4@108.839,16.18 ; v4(108.814,16.18) 108.814,16.522 ccw(c106.274,16.522) 106.274,19.062 91.49,19.062 cw(c91.49,21.602) 89.694,19.806 87.485,22.014 ; 25.28,12.225 33.013,19.957 cw(c34.809,18.161) 34.809,20.701 51.043,20.701 ccw(c51.043,23.241) 51.731,20.796 ccw(c51.043,23.241) 52.531,21.182 ccw(c51.043,23.241) 52.839,21.445 56.482,25.088 cw(c58.278,23.292) 58.278,25.832 60.681,25.832 73.395,25.832 ccw(c73.395,28.372) 75.191,26.576 77.172,28.557 cw(c77.953,27.776) v4(77.953,28.88) 85.115,28.88 cw(c85.115,27.254) v4(86.741,27.254) 86.741,23.811 ccw(c89.281,23.811) 87.485,22.014
pads on no net: CON602. CON602.A8 CON602.B8 CON702.0 FID1.0 FID2.0 FID3.0 FID4.0 U201.60 U601.23 U601.24 U601.27 U701.1 U701.22 U701.25 U701.36 U701.37 U701.38 U701.39 U701.40 U701.41

## Polygon pours and split planes (outlines as drawn)
GND on SIGNAL "Solder Side-GND" (solid, pour order 2): 0.381,35.433 141.053,35.433 141.097,23.393 141.097,0.508 0.381,0.381
no net on SIGNAL "Top Layer-No Net" (solid, pour order 16): 59.369,31.817 70.78,31.817 70.78,29.804 71.755,28.829 71.552,28.626 71.552,25.095 59.792,25.095 59.538,25.349 59.369,25.518 59.369,31.817
GND on SIGNAL "Top Layer-No Net" (solid, pour order 14): 59.369,31.817 70.78,31.817 70.78,29.804 71.755,28.829 71.552,28.626 71.552,25.095 59.792,25.095 59.538,25.349 59.369,25.518 59.369,31.817
GND on GND2 "Component_side_GND" (solid, pour order 6): 0.365,33.299 141.056,33.299 141.097,23.444 141.097,0.508 0.381,0.381
GND on GND1 "Component_side_GND" (solid, pour order 4): 0.366,33.198 140.962,33.198 141.097,0.508 0.381,0.381
GND on COMPONENT "Component_side_GND" (solid, pour order 0): 0.381,35.56 141.097,35.56 141.097,0.635 141.097,0.508 0.381,0.381

## Other copper
COMPONENT:
  region net SHELD1: 141.122,24.74 141.122,35.484 133.68,35.484 133.68,24.74
  rectangle net SHELD1: 51.283,33.299 141.122,35.458
  rectangle net SHELD1: 0.533,33.299 37.871,35.458
  rectangle net SHELD1: 0.533,28.194 10.82,35.458
  pour cut-out: 36.359,1.428 cw(c36.447,1.52) 36.535,1.612 ccw(c36.972,2.072) 37.607,2.072 ccw(c36.972,2.072) 36.523,1.623 cw(c36.433,1.533) 36.561,1.533 cw(c36.433,1.533) 36.343,1.443 cw(c36.972,2.072) 37.862,2.072 cw(c36.972,2.072)
  pour cut-out: 64.131,6.951 cw(c64.219,7.043) 64.307,7.135 ccw(c64.745,7.595) 65.379,7.595 ccw(c64.745,7.595) 64.296,7.146 cw(c64.206,7.056) 64.333,7.056 cw(c64.206,7.056) 64.116,6.966 cw(c64.745,7.595) 65.634,7.595 cw(c64.745,7.595)
  pour cut-out: 34.014,33.298 ccw(c44.577,34.188) 55.157,33.533 ccw(c53.061,33.663) 55.161,33.663 ccw(c53.061,33.663) 50.964,33.793 cw(c44.577,34.188) 38.2,33.651 ccw(c36.107,33.474)
  pour cut-out: 138.579,1.464 cw(c138.666,1.556) 138.754,1.649 ccw(c139.192,2.108) 139.827,2.108 ccw(c139.192,2.108) 138.743,1.659 cw(c138.653,1.569) 138.781,1.569 cw(c138.653,1.569) 138.563,1.479 cw(c139.192,2.108) 140.081,2.108 cw(c139.192,2.108)
  pour cut-out: 15.732,30.179 cw(c15.819,30.271) 15.907,30.363 ccw(c16.345,30.823) 16.979,30.823 ccw(c16.345,30.823) 15.896,30.374 cw(c15.806,30.284) 15.933,30.284 cw(c15.806,30.284) 15.716,30.194 cw(c16.345,30.823) 17.234,30.823 cw(c16.345,30.823)
  pour cut-out: -1.118,37.16 -1.067,37.211 11.074,37.211 11.074,16.027 -1.142,16.027
  pour cut-out: 37.719,36.068 37.719,34.44 38.163,32.321 39.052,30.29 40.259,29.083 41.275,28.448 42.693,27.792 44.6,27.559 46.355,27.792 47.498,28.194 48.895,29.083 49.911,30.29 50.546,31.242 51.064,32.502 51.308,33.528 51.435,36.068
  pour cut-out: 9.474,32.995 9.474,36 141.075,36 141.075,32.994
  pour cut-out: 141.326,24.486 116.233,24.486 116.233,34.747 141.326,34.747
  pour cut-out: 103.655,24.256 88.796,24.256 88.796,34.3 103.655,34.3
  text "by 4pplet" at 119.329,1.067 h2
  text "REV A3" at 112.725,1.041 h2
GND2:
  pour cut-out: 34.014,33.298 ccw(c44.577,34.188) 55.157,33.533 ccw(c53.061,33.663) 55.161,33.663 ccw(c53.061,33.663) 50.964,33.793 cw(c44.577,34.188) 38.2,33.651 ccw(c36.107,33.474)
  pour cut-out: 37.719,36.068 37.719,34.44 38.163,32.321 39.052,30.29 40.259,29.083 41.275,28.448 42.693,27.792 44.6,27.559 46.355,27.792 47.498,28.194 48.895,29.083 49.911,30.29 50.546,31.242 51.064,32.502 51.308,33.528 51.435,36.068
GND1:
  pour cut-out: 34.014,33.298 ccw(c44.577,34.188) 55.157,33.533 ccw(c53.061,33.663) 55.161,33.663 ccw(c53.061,33.663) 50.964,33.793 cw(c44.577,34.188) 38.2,33.651 ccw(c36.107,33.474)
  pour cut-out: 37.719,36.068 37.719,34.44 38.163,32.321 39.052,30.29 40.259,29.083 41.275,28.448 42.693,27.792 44.6,27.559 46.355,27.792 47.498,28.194 48.895,29.083 49.911,30.29 50.546,31.242 51.064,32.502 51.308,33.528 51.435,36.068
SIGNAL:
  drawing of 29 lines, arcs and shapes, not listed

## Silkscreen, mask and mechanical layers (free items; w line width, h text height)
Top Overlay:
  text "5" at 55.651,22.276 h0.75
  text "1" at 58.395,22.276 h0.75
  text "6" at 55.651,16.942 h0.75
  text "2" at 58.191,16.942 h0.75
  text "SHKB" at 113.055,2.565 h7
Bottom Overlay:
  rectangle: 81.661,29.159 85.7,32.944
  rectangle: 103.327,27.762 124.282,34.493
  text "Test OK:" at 100.99,30 h4
  text "S/N:" at 132.461,30 h4
  text "Steezy Hacking Keyboard" at 123.5,5.25 h10
  text "by 4pplet" at 33.249,1.753 h4
  text "REV A3" at 123.977,1.575 h4
Top Solder:
  text "PRE-PRODUCTION UNIT" at 72.288,33.884 h1.8
  text "by 4pplet" at 119.329,1.067 h2
  text "REV A3" at 112.725,1.041 h2
Bottom Solder:
  drawing of 18 lines, arcs and shapes, not listed
Mechanical 1:
  the board outline again, w0.013
Mechanical 2:
  drawing of 606 lines, arcs and shapes, not listed
Dimensions:
  lines w0.006: 127.215,10.573 ccw(c127.288,10.573) 127.274,10.501 128.632,10.239 cw(c128.618,10.167) 128.686,10.195 129.157,9.058 cw(c129.089,9.03) 129.15,8.989 128.375,7.844 ccw(c128.435,7.803) 128.384,7.751 129.362,6.773 ccw(c129.414,6.824) 129.455,6.764 130.6,7.539 cw(c130.641,7.478) 130.669,7.546 131.19,7.33 ccw(c131.218,7.398) 131.285,7.37 132.244,9.718 ccw(c132.176,9.746) 132.207,9.812 cw(c132.875,11.265) 133.544,9.812 ccw(c133.575,9.746) 133.507,9.718 134.466,7.37 ccw(c134.533,7.398) 134.561,7.33 135.082,7.546 cw(c135.11,7.478) 135.151,7.539 136.296,6.764 ccw(c136.337,6.824) 136.389,6.773 137.367,7.751 ccw(c137.316,7.803) 137.376,7.844 136.601,8.989 cw(c136.662,9.03) 136.594,9.058 137.065,10.195 cw(c137.133,10.167) 137.119,10.239 138.477,10.501 ccw(c138.463,10.573) 138.536,10.573 138.536,11.956 ccw(c138.463,11.956) 138.477,12.028 137.119,12.29 cw(c137.133,12.362) 137.065,12.334 136.594,13.471 cw(c136.662,13.499) 136.601,13.54 137.376,14.685 ccw(c137.316,14.726) 137.367,14.778 136.389,15.756 ccw(c136.337,15.705) 136.296,15.765 135.151,14.99 cw(c135.11,15.051) 135.082,14.983 133.945,15.454 cw(c133.973,15.522) 133.901,15.508 133.639,16.866 ccw(c133.567,16.852) 133.567,16.925 132.184,16.925 ccw(c132.184,16.852) 132.112,16.866 131.85,15.508 cw(c131.778,15.522) 131.806,15.454 130.669,14.983 cw(c130.641,15.051) 130.6,14.99 129.455,15.765 ccw(c129.414,15.705) 129.362,15.756 128.384,14.778 ccw(c128.435,14.726) 128.375,14.685 129.15,13.54 cw(c129.089,13.499) 129.157,13.471 128.686,12.334 cw(c128.618,12.362) 128.632,12.29 127.274,12.028 ccw(c127.288,11.956) 127.215,11.956 127.215,10.573
Mechanical 4:
  region: 136.881,2.712 136.882,2.713
  region: 130.721,2.712 130.721,2.713
  region: 139.231,4.748 139.234,4.748 139.231,4.748
  region: 131.231,4.748 131.235,4.748 131.231,4.748
  region: 138.05,4.275 138.05,4.279
  region: 134.01,2.813 134.01,2.816

## Dimensions
141.453,36.017 to 141.5,0 on Mechanical 16
0,0 to 141.5,0 on Mechanical 16